# Altium PCB CABLE_JIG_TEST_PCB.PcbDoc (part 4 of 4)
Units mm, origin at the board's own origin, x right, y up, seen from the top; angles counter-clockwise.
Board outline 142.11 x 114.81 mm, 4 copper layers (Top Layer 1, Top Layer, Bottom Layer, Bottom Layer 1), stack 0.602 mm thick; 381 components, 359 nets, 1475 pads, 589 vias.
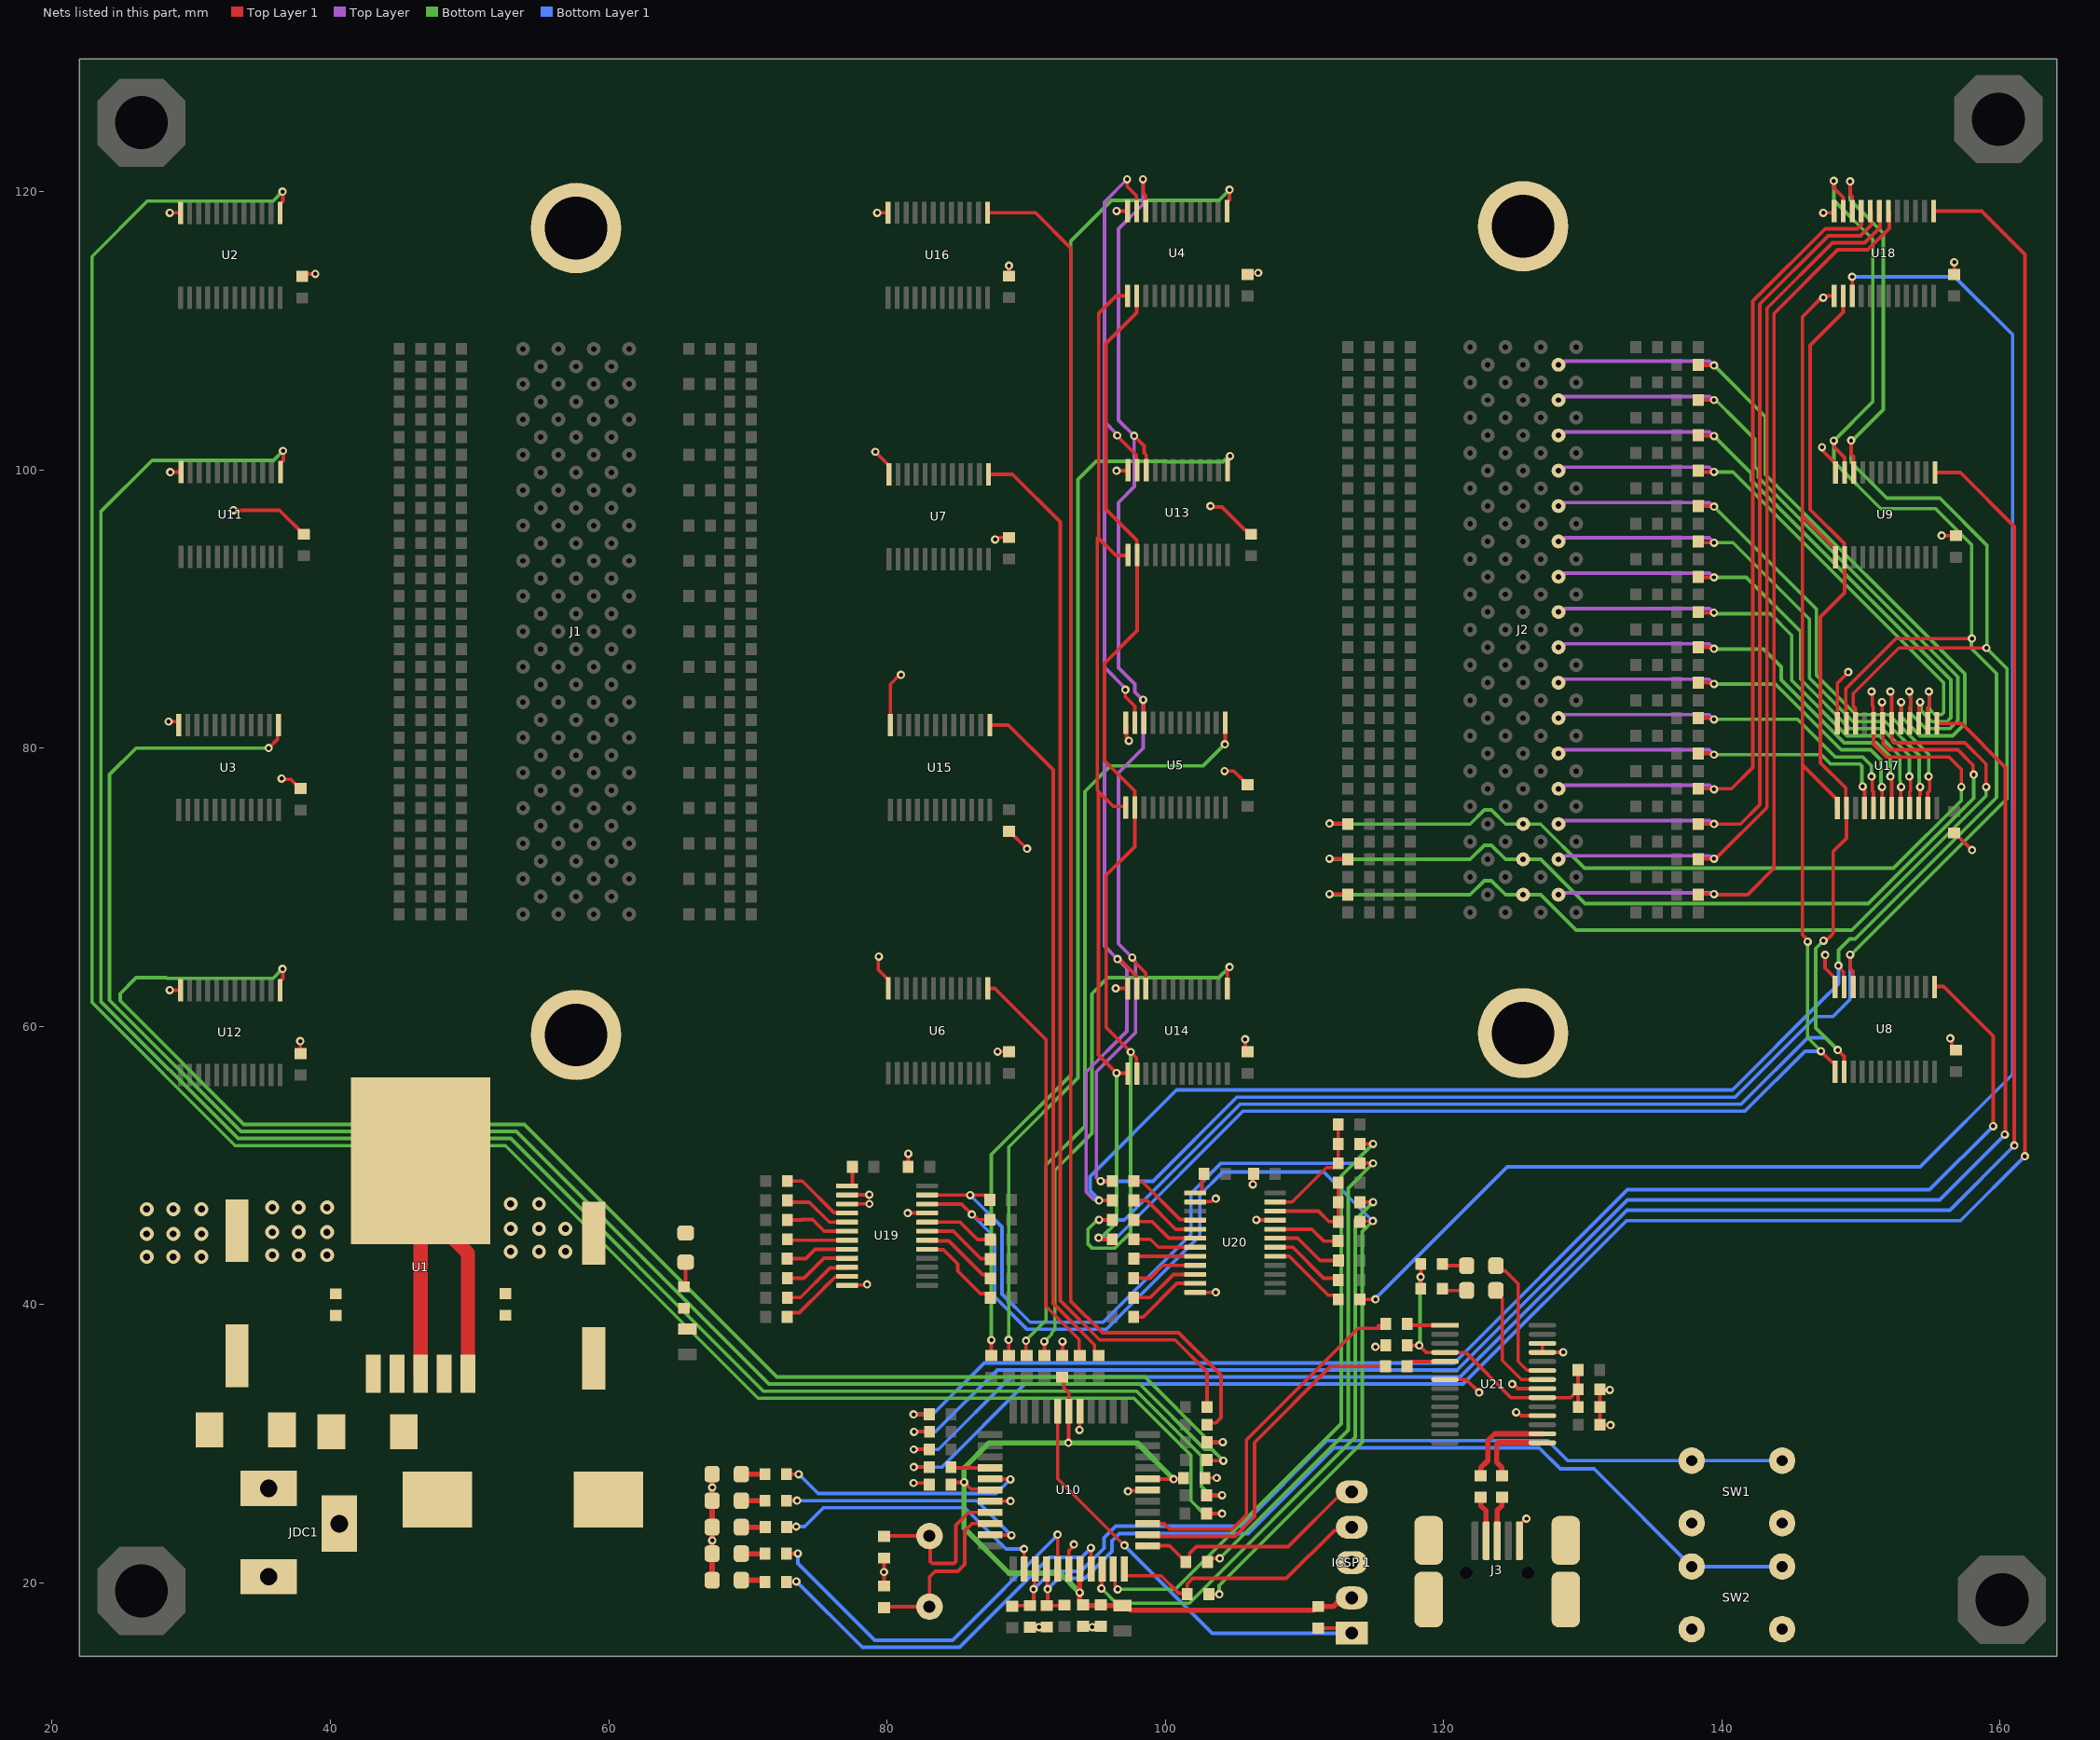
[diagram p6: the nets of this part, all layers, seen from the top]

## Via types
v1: diameter 0.6, hole 0.3, Top Layer 1 to Bottom Layer 1, 556 vias
v2: diameter 1, hole 0.5, Top Layer 1 to Bottom Layer 1, 33 vias

## Nets (pads, with @x,y where several pads share a name; then routed paths per layer and width w, separated by ;. In a path a pad name is that pad's centre, name@x,y a point inside that pad or via, vN(x,y) a via of type N, cw(c..) or ccw(c..) an arc to the next point about the centre after c; other vN are vias at no path point) (continued)
B7Y1: J2.F14 R234.1 U17.8 | length 64
  Top Layer 1 w0.254: v1(111.806,74.595) 112.971,74.595 R234.1@113.017,74.549 ; v1(150.765,84.076) 150.822,84.019 150.822,83.051 150.901,82.973 150.901,81.794 U17.8@150.904,81.79 ; U17.8@150.917,81.79 150.917,80.298 151.84,79.375 156.337,79.375 157.226,78.486 v1(157.226,77.216)
  Bottom Layer w0.254: v1(111.806,74.595) 111.852,74.549 121.92,74.549 122.936,75.565 123.444,75.565 124.46,74.549 J2.F14@125.73,74.549 126.977,74.549 130.152,71.374 152.36,71.374 157.226,76.24 v1(157.226,77.216)
B7Y2: J2.F15 R211.1 U17.7 | length 65.4
  Top Layer 1 w0.254: v1(111.806,72.055) 112.971,72.055 R211.1@113.017,72.009 ; v1(151.523,83.314) 151.539,83.298 151.539,81.805 U17.7@151.554,81.79 ; U17.7@151.567,81.79 151.593,81.764 151.593,80.341 152.05,79.883 156.972,79.883 158.069,78.786 158.069,78.151 v1(158.115,78.105)
  Bottom Layer w0.254: v1(111.806,72.055) 111.852,72.009 121.92,72.009 122.936,73.025 123.444,73.025 124.46,72.009 J2.F15@125.73,72.009 127,72.009 130.175,68.834 150.539,68.834 158.115,76.41 v1(158.115,78.105)
B7Y3: J2.F16 R235.1 U17.6 | length 67.7
  Top Layer 1 w0.254: v1(111.806,69.515) 112.971,69.515 R235.1@113.017,69.469 ; v1(152.127,84.076) 152.127,83.982 152.217,83.892 U17.6@152.217,81.803 ; U17.6@152.217,81.79 152.239,81.768 152.239,80.54 152.388,80.391 157.48,80.391 159.004,78.867 v1(159.004,77.216)
  Bottom Layer w0.254: v1(111.806,69.515) 111.852,69.469 121.92,69.469 122.936,70.485 123.444,70.485 124.46,69.469 J2.F16@125.73,69.469 127,69.469 129.54,66.929 149.352,66.929 159.004,76.581 v1(159.004,77.216)
B7Y4: J2.G1 R277.1 U17.5 | length 53.9
  Top Layer 1 w0.254: R277.1@138.316,107.569 138.362,107.523 v1(139.446,107.523) ; U17.5@152.854,81.79 152.877,81.813 152.877,83.291 v1(152.9,83.314)
  Top Layer w0.254: J2.G1@128.27,107.569 128.472,107.569 128.726,107.823 139.124,107.823 139.424,107.523 v1(139.446,107.523)
  Bottom Layer w0.254: J2.G1@128.27,107.569 J2.G1@128.293,107.546 ; v1(139.446,107.523) 143.129,103.84 143.129,99.695 157.48,85.344 157.48,81.774 156.605,80.899 154.261,80.899 152.9,82.26 v1(152.9,83.314)
B7Y5: J2.G2 R293.1 U17.4 | length 50.9
  Top Layer 1 w0.254: R293.1@138.316,105.029 v1(139.446,105.029) ; v1(153.489,84.076) 153.489,83.982 153.581,83.89 153.581,83.031 153.504,82.954 U17.4@153.504,81.79
  Top Layer w0.254: J2.G2@128.27,105.029 128.472,105.029 128.726,105.283 139.124,105.283 139.378,105.029 v1(139.446,105.029)
  Bottom Layer w0.254: v1(139.446,105.029) 139.54,105.029 139.704,104.865 139.737,104.865 141.003,103.599 142.367,102.235 142.367,100.24 142.621,99.986 142.621,99.485 156.972,85.134 156.972,81.984 156.395,81.407 154.686,81.407 153.581,82.512 153.581,83.596 153.555,83.621 153.555,84.009 v1(153.489,84.076)
B7Y6: J2.G3 R278.1 U17.3 | length 44.7
  Top Layer 1 w0.254: R278.1@138.316,102.489 138.362,102.443 v1(139.446,102.443) ; U17.3@154.154,81.79 154.204,81.84 154.204,83.256 v1(154.262,83.314)
  Top Layer w0.254: J2.G3@128.27,102.489 128.472,102.489 128.726,102.743 139.124,102.743 139.424,102.443 v1(139.446,102.443)
  Bottom Layer w0.254: J2.G3@128.27,102.489 J2.G3@128.293,102.466 ; v1(139.446,102.443) 142.113,99.776 142.113,99.274 156.464,84.923 156.464,82.195 156.184,81.915 155.111,81.915 154.328,82.697 154.328,83.247 v1(154.262,83.314)
B7Y7: J2.G4 R294.1 U17.2 | length 42.5
  Top Layer 1 w0.254: R294.1@138.316,99.949 138.408,99.857 v1(139.446,99.857) ; U17.2@154.804,81.79 154.804,82.892 154.943,83.031 154.943,84.019 v1(154.886,84.076)
  Top Layer w0.254: J2.G4@128.27,99.949 128.472,99.949 128.726,100.203 139.1,100.203 v1(139.446,99.857)
  Bottom Layer w0.254: J2.G4@128.27,99.949 J2.G4@128.316,99.903 ; v1(139.446,99.857) 140.812,99.857 155.956,84.713 155.956,82.572 155.807,82.423 155.321,82.423 154.943,82.801 154.943,84.019 v1(154.886,84.076)
B7Y8: J2.G5 R279.1 U17.23 | length 42.1
  Top Layer 1 w0.254: R279.1@138.316,97.409 138.836,97.409 139.4,97.409 v1(139.446,97.363) ; U17.23@154.804,75.69 154.804,76.793 154.943,76.932 154.943,77.912 v1(154.88,77.976)
  Top Layer w0.254: J2.G5@128.27,97.409 128.472,97.409 128.726,97.663 139.124,97.663 139.424,97.363 v1(139.446,97.363)
  Bottom Layer w0.254: J2.G5@128.27,97.409 J2.G5@128.293,97.386 ; v1(139.446,97.363) 146.812,89.997 146.812,85.253 149.642,82.423 152.019,82.423 154.886,79.556 154.886,77.982 v1(154.88,77.976)
B7Y9: J2.G6 R295.1 U17.22 | length 40.1
  Top Layer 1 w0.254: R295.1@138.316,94.869 138.408,94.777 v1(139.446,94.777) ; U17.22@154.167,75.69 154.217,75.74 154.217,76.609 154.262,76.653 v1(154.262,77.214)
  Top Layer w0.254: J2.G6@128.27,94.869 128.472,94.869 128.726,95.123 139.1,95.123 v1(139.446,94.777)
  Bottom Layer w0.254: J2.G6@128.27,94.869 J2.G6@128.362,94.777 ; v1(139.446,94.777) 140.808,94.777 146.304,89.281 146.304,85.043 149.432,81.915 151.765,81.915 154.199,79.481 154.199,77.277 v1@154.205,77.271
B7Y10: J2.G7 R280.1 U17.21 | length 37.8
  Top Layer 1 w0.254: R280.1@138.316,92.329 138.362,92.283 v1(139.446,92.283) ; v1(153.489,77.976) 153.489,77.882 153.581,77.79 153.581,76.932 153.504,76.855 U17.21@153.504,75.69
  Top Layer w0.254: J2.G7@128.27,92.329 128.472,92.329 128.726,92.583 139.124,92.583 139.424,92.283 v1(139.446,92.283)
  Bottom Layer w0.254: J2.G7@128.27,92.329 J2.G7@128.293,92.306 ; v1@139.423,92.306 v1(139.446,92.283) 141.778,92.283 145.669,88.392 145.669,84.959 149.221,81.407 151.555,81.407 153.489,79.473 v1(153.489,77.976)
B7Y11: J2.G8 R296.1 U17.20 | length 35.9
  Top Layer 1 w0.254: R296.1@138.316,89.789 138.362,89.743 v1(139.439,89.743) ; U17.20@152.854,75.69 152.877,75.713 152.877,77.191 v1(152.9,77.214)
  Top Layer w0.254: J2.G8@128.27,89.789 128.472,89.789 128.726,90.043 139.118,90.043 139.418,89.743 v1(139.439,89.743)
  Bottom Layer w0.254: J2.G8@128.27,89.789 J2.G8@128.286,89.773 ; v1@139.41,89.773 139.506,89.677 139.746,89.677 139.761,89.662 143.488,89.662 145.034,88.116 145.034,84.876 149.011,80.899 151.344,80.899 152.808,79.435 152.808,77.694 152.834,77.668 152.834,77.28 v1(152.9,77.214)
B7Y12: J2.G9 R281.1 U17.19 | length 32.8
  Top Layer 1 w0.254: R281.1@138.316,87.249 138.836,87.249 139.09,87.249 139.116,87.223 139.38,87.223 v1(139.446,87.157) ; v1(152.127,77.976) 152.127,77.882 152.217,77.792 152.217,75.703 U17.19@152.212,75.697
  Top Layer w0.254: J2.G9@128.27,87.249 128.472,87.249 128.726,87.503 139.1,87.503 v1(139.446,87.157)
  Bottom Layer w0.254: J2.G9@128.27,87.249 J2.G9@128.316,87.203 ; v1@139.481,87.122 143.002,87.122 144.272,85.852 144.272,84.919 148.8,80.391 151.134,80.391 152.127,79.398 v1(152.127,77.976)
B7Y13: J2.G10 R297.1 U17.18 | length 30.5
  Top Layer 1 w0.254: R297.1@138.316,84.709 138.836,84.709 139.09,84.709 139.116,84.683 139.38,84.683 v1(139.446,84.617) ; v1(151.523,77.214) 151.539,77.198 151.539,75.705 U17.18@151.554,75.69
  Top Layer w0.254: J2.G10@128.27,84.709 128.472,84.709 128.726,84.963 139.1,84.963 v1(139.446,84.617)
  Bottom Layer w0.254: J2.G10@128.27,84.709 J2.G10@128.362,84.617 ; v1(139.446,84.617) 143.856,84.617 148.59,79.883 150.707,79.883 151.446,79.144 151.446,77.694 151.457,77.683 151.457,77.28 v1(151.523,77.214)
B7Y14: J2.G11 R282.1 U17.17 | length 28.5
  Top Layer 1 w0.254: R282.1@138.316,82.169 138.836,82.169 139.09,82.169 139.116,82.143 139.38,82.143 v1(139.446,82.077) ; v1(150.765,77.976) 150.822,77.919 150.822,76.952 150.904,76.87 U17.17@150.904,75.69
  Top Layer w0.254: J2.G11@128.27,82.169 128.472,82.169 128.726,82.423 139.1,82.423 v1(139.446,82.077)
  Bottom Layer w0.254: J2.G11@128.27,82.169 J2.G11@128.316,82.123 ; v1@139.4,82.123 v1(139.446,82.077) 145.463,82.077 148.165,79.375 150.146,79.375 150.765,78.756 v1(150.765,77.976)
B7Y15: J2.G12 R298.1 U17.16 | length 26.8
  Top Layer 1 w0.254: R298.1@138.316,79.629 138.836,79.629 139.09,79.629 139.116,79.603 139.38,79.603 v1(139.446,79.537) ; v1(150.141,77.245) 150.141,77.151 150.267,77.026 U17.16@150.267,75.703
  Top Layer w0.254: J2.G12@128.27,79.629 128.472,79.629 128.726,79.883 139.1,79.883 v1(139.446,79.537)
  Bottom Layer w0.254: J2.G12@128.27,79.629 J2.G12@128.362,79.537 ; v1(139.446,79.537) 147.158,79.537 147.828,78.867 149.935,78.867 150.084,78.718 150.084,77.302 v1(150.141,77.245)
B8_ENABLE: R249.2 U18.15 | length 121.5
  Top Layer 1 w0.254: R249.2@113.991,40.38 v1(115.108,40.38) ; v1@149.352,113.919 v1(149.382,113.889) U18.15@149.382,112.522
  Bottom Layer 1 w0.254: v1(115.108,40.38) 115.108,40.432 124.587,49.911 154.261,49.911 160.909,56.559 160.909,109.728 156.748,113.889 v1(149.382,113.889)
B8_Z_MCU: R162.1 U10.26 | length 2.8
  Top Layer 1 w0.254: R162.1@84.595,28.321 84.647,28.269 U10.26@87.404,28.269
B8Y0: J2.G13 R283.1 U18.9 | length 60.7
  Top Layer 1 w0.254: R283.1@138.316,77.089 138.836,77.089 139.4,77.089 v1(139.446,77.043) ; v1@139.446,77.089 140.716,77.089 142.24,78.613 142.24,112.141 147.447,117.348 149.76,117.348 150.061,117.649 150.061,118.584 U18.9@150.009,118.636
  Top Layer w0.254: J2.G13@128.27,77.089 128.472,77.089 128.726,77.343 139.124,77.343 139.424,77.043 v1(139.446,77.043)
  Bottom Layer w0.254: J2.G13@128.27,77.089 J2.G13@128.293,77.066 ; v1@139.423,77.066 v1(139.446,77.043)
B8Y1: J2.G14 R299.1 U18.8 | length 64.2
  Top Layer 1 w0.254: R299.1@138.316,74.549 138.836,74.549 v1(139.446,74.549) 141.351,74.549 142.748,75.946 142.748,111.931 147.657,116.84 149.97,116.84 150.745,117.615 U18.8@150.745,118.618 ; U18.8@150.622,119.005 150.632,119.005 150.682,118.954 U18.8@150.682,118.622
  Top Layer w0.254: J2.G14@128.27,74.549 128.472,74.549 128.726,74.803 139.124,74.803 139.378,74.549 v1(139.446,74.549)
B8Y2: J2.G15 R284.1 U18.7 | length 65.5
  Top Layer 1 w0.254: R284.1@138.316,72.009 138.362,72.055 v1(139.446,72.055) ; v1@139.446,72.009 139.529,72.009 143.256,75.736 143.256,111.633 147.955,116.332 150.285,116.332 151.384,117.431 U18.7@151.384,118.621
  Top Layer w0.254: J2.G15@128.27,72.009 128.472,72.009 128.726,72.263 139.144,72.263 139.352,72.055 v1(139.446,72.055)
B8Y3: J2.G16 R300.1 U18.6 | length 69.5
  Top Layer 1 w0.254: R300.1@138.316,69.469 138.362,69.515 v1(139.446,69.515) ; v1@139.446,69.469 141.859,69.469 143.764,71.374 143.764,111.252 148.336,115.824 150.495,115.824 152.049,117.378 U18.6@152.049,118.622
  Top Layer w0.254: J2.G16@128.27,69.469 128.397,69.596 139.225,69.596 139.24,69.581 139.38,69.581 v1(139.446,69.515)
BS0: R237.1 U4.10 U5.10 U8.10 U9.10 U13.10 U14.10 U17.10 U18.10 | length 239.1
  Top Layer 1 w0.254: v1(95.367,48.879) 96.188,48.879 R237.1@96.198,48.889 ; v1(97.633,64.954) 97.699,64.887 97.699,64.744 98.61,63.833 U14.10@98.61,62.72 ; v1(97.769,102.46) 98.495,101.734 98.495,101.223 98.639,101.079 U13.10@98.639,99.981 ; v1(98.403,120.904) 98.444,120.863 98.444,119.876 98.604,119.716 U4.10@98.604,118.618 ; v1(98.421,83.483) 98.473,83.431 U5.10@98.473,81.832 ; v1(149.225,65.151) 149.225,64.182 149.448,63.958 U8.10@149.448,62.853 ; v1(149.228,120.755) 149.228,119.811 149.382,119.657 U18.10@149.382,118.622 ; v1(149.304,102.122) 149.304,101.147 149.49,100.961 U9.10@149.49,99.824 ; U17.10@149.617,81.79 149.617,82.875 149.46,83.031 149.46,83.928 152.739,87.207 v1(159.027,87.207)
  Top Layer w0.254: v1(95.367,48.879) 95.326,48.879 95.06,49.146 95.06,56.749 97.871,59.561 97.871,64.622 97.633,64.86 v1(97.633,64.954) 96.647,65.94 96.647,78.232 98.425,80.01 98.425,83.439 97.818,84.046 97.818,84.61 96.647,85.781 96.647,97.663 97.79,98.806 97.79,100.83 97.769,100.851 v1(97.769,102.46) 96.647,103.582 96.647,117.348 98.403,119.104 v1(98.403,120.904)
  Bottom Layer w0.254: v1@149.222,65.084 160.507,76.369 160.507,85.728 v1(159.027,87.207) 159.064,87.244 159.064,94.594 155.681,97.977 151.871,97.977 149.309,100.539 149.309,102.041 151.617,104.349 151.617,117.027 149.228,119.416 v1(149.228,120.755)
  Bottom Layer 1 w0.254: v1(95.367,48.879) 99.127,48.879 105.17,54.922 140.984,54.922 146.768,60.706 147.992,60.706 149.225,61.939 v1(149.225,65.151)
BS1: R240.1 U4.11 U5.11 U8.11 U9.11 U13.11 U14.11 U17.11 U18.11 | length 245.5
  Top Layer 1 w0.254: v1(95.243,47.492) R240.1@96.198,47.492 R240.1@96.208,47.502 ; v1(96.56,102.484) 96.56,102.44 97.939,101.061 U13.11@97.939,99.949 ; v1(96.566,64.843) 96.632,64.777 96.772,64.777 97.91,63.639 97.91,62.764 U14.11@97.936,62.738 ; v1(97.137,84.201) 97.137,83.693 97.809,83.021 U5.11@97.809,81.915 ; v1(97.264,120.904) 97.264,120.396 97.936,119.724 U4.11@97.936,118.618 ; v1(148.056,102.106) 148.122,102.04 148.122,101.61 148.84,100.893 U9.11@148.84,99.824 ; v1(148.064,120.777) 148.064,120.269 148.736,119.597 U18.11@148.736,118.491 ; v1(148.397,64.367) 148.397,64.274 148.748,63.923 148.748,62.903 U8.11@148.798,62.853 ; U17.11@148.917,81.84 148.917,84.274 152.527,87.884 157.984,87.884 v1(157.988,87.888)
  Top Layer w0.254: v1(95.243,47.492) 95.176,47.558 94.858,47.558 94.32,48.096 94.32,56.728 97.248,59.656 97.248,64.161 v1(96.566,64.843) 95.631,65.778 95.631,85.816 ; v1(96.56,102.484) 96.56,102.542 95.631,103.47 ; v1@97.119,84.328 95.631,85.816 ; v1(97.264,120.904) 95.631,119.271 95.631,103.47 ; 95.631,85.816 95.631,103.47
  Bottom Layer w0.254: v1(148.064,120.777) 148.064,119.38 150.858,116.586 150.858,104.902 148.064,102.108 148.064,100.584 151.429,97.218 155.366,97.218 157.97,94.615 157.97,87.907 v1(157.988,87.888) ; v1@148.395,64.38 148.395,65.482 149.207,66.294 149.588,66.294 159.748,76.454 159.748,85.362 157.941,87.169 v1@157.941,87.888
  Bottom Layer 1 w0.254: v1(95.243,47.492) 95.243,47.566 94.6,48.208 94.6,49.209 100.82,55.43 140.774,55.43 147.101,61.757 148.397,63.053 v1(148.397,64.367)
BS2: R242.1 U4.14 U5.14 U8.14 U9.14 U13.14 U14.14 U17.14 U18.14 | length 200.9
  Top Layer 1 w0.254: v1(95.243,46.095) R242.1@96.198,46.095 R242.1@96.208,46.105 ; U5.14@97.809,75.815 97.809,76.925 95.631,79.103 95.631,86.106 97.989,88.464 97.989,93.859 97.975,93.873 97.975,94.938 95.74,97.173 95.74,109.093 97.954,111.307 U4.14@97.954,112.518 ; U5.14@97.823,75.732 97.823,72.931 95.763,70.871 95.763,59.921 v1(97.518,58.166) 97.936,57.748 U14.14@97.936,56.638 ; v1@147.386,66.153 147.48,66.153 147.822,66.495 147.835,66.495 148.015,66.675 148.015,72.577 148.967,73.529 U17.14@148.967,75.69 148.917,75.74 148.917,77.143 147.099,78.961 147.099,89.441 148.799,91.141 148.799,91.162 ; v1(148.34,58.311) 148.798,57.853 U8.14@148.798,56.753 ; U18.14@148.732,112.395 148.732,111.334 146.364,108.966 146.364,97.155 148.799,94.72 U9.14@148.799,93.724 ; 148.84,91.162 U9.14@148.84,93.724
  Bottom Layer w0.254: v1(95.243,46.095) 95.149,46.095 94.982,45.928 94.955,45.928 94.458,45.431 94.458,44.353 94.742,44.069 96.393,44.069 97.518,45.194 v1(97.518,58.166) ; v1(147.32,66.167) 146.75,65.597 146.75,59.901 148.227,58.424 148.227,58.215 v1@148.223,58.211
  Bottom Layer 1 w0.254: v1(95.243,46.095) 97.062,46.095 105.381,54.414 141.409,54.414 146.181,59.186 147.465,59.186 v1(148.34,58.311)
BS3: R244.1 U4.13 U5.13 U8.13 U9.13 U13.13 U14.13 U17.13 U18.13 | length 201
  Top Layer 1 w0.254: 95.176,95.141 96.464,93.853 97.289,93.853 U13.13@97.289,93.849 ; v1(95.218,44.804) 95.311,44.804 95.438,44.678 96.165,44.678 R244.1@96.175,44.688 ; 95.228,76.857 95.123,76.962 95.123,95.089 95.228,95.194 95.228,111.27 96.48,112.522 97.282,112.522 U4.13@97.286,112.518 ; v1(96.502,56.642) 97.282,56.642 U14.13@97.286,56.638 ; v1@96.502,56.646 95.206,57.942 95.206,76.879 96.266,75.819 97.122,75.819 97.173,75.769 U5.13@97.173,75.732 ; v1(146.188,66.102) 146.188,66.196 145.81,66.574 145.81,78.786 ; v1(147.129,58.222) 147.924,57.428 148.098,57.428 148.148,57.377 U8.13@148.148,56.753 ; U18.13@148.082,112.522 147.302,112.522 145.81,111.03 145.81,96.69 ; U9.13@148.149,93.726 148.149,94.351 145.81,96.69 ; U17.13@148.267,75.69 148.267,76.365 148.231,76.365 145.81,78.786 ; 145.81,78.786 145.81,96.69
  Bottom Layer w0.254: v1(95.218,44.804) 95.311,44.804 95.449,44.942 95.535,44.942 96.502,45.909 v1(96.502,56.642) ; v1(146.188,66.102) 146.177,66.091 146.177,59.202 v1@147.145,58.234
  Bottom Layer 1 w0.254: v1(95.218,44.804) 96.493,44.804 105.595,53.906 141.663,53.906 145.979,58.222 v1(147.129,58.222)
  other v1: 147.302,112.395
BUTTON1: C28.1 R158.1 SW1.1 SW1.3 U10.36 | length 63.4
  Top Layer 1 w0.254: R158.1@89.005,18.319 89.051,18.366 C28.1@90.293,18.366 90.548,18.621 v1(90.548,19.546) 90.611,19.609 90.611,20.936 U10.36@90.673,20.999
  Bottom Layer 1 w0.254: v1(90.548,19.546) 91.83,20.828 93.942,20.828 95.607,22.493 95.607,23.242 96.453,24.088 105.495,24.088 111.634,30.226 127.508,30.226 128.941,28.793 SW1.1@137.847,28.793 SW1.3@144.347,28.793
BUTTON2: C29.1 R179.1 SW2.1 SW2.3 U10.37 | length 64.9
  Top Layer 1 w0.254: U10.37@91.473,20.999 91.513,20.959 91.513,19.595 v1(91.553,19.556) 91.553,18.44 C29.1@91.488,18.375 92.739,18.375 R179.1@92.753,18.389
  Bottom Layer 1 w0.254: v1(91.553,19.556) 92.318,20.32 94.234,20.32 96.182,22.268 96.182,23.012 96.709,23.539 105.962,23.539 112.141,29.718 126.873,29.718 128.397,28.194 130.826,28.194 SW2.1@137.847,21.173 SW2.3@144.347,21.173
CNN_D_N: J3.2 R301.2 | length 3.3
  Top Layer 1 w0.381: R301.2@122.682,26.149 122.682,25.565 123.066,25.181 J3.2@123.066,23.026
CNN_D_P: J3.3 R302.2 | length 3.3
  Top Layer 1 w0.381: J3.3@123.866,23.026 123.866,25.225 124.206,25.565 R302.2@124.206,26.149
GND: "ICSP 1.3" C1.2 C2.2 C3.2 C4.2 C5.2 C6.2 C7.2 C8.2 C9.2 C10.2 C11.2 C12.2 C13.2 C14.2 C15.2 C16.2 C17.2 C18.2 C19.2 C20.2 C21.2 C22.2 C23.2 C24.2 C25.2 C26.2 C27.2 C28.2 C29.2 C30.2 C31.2 C32.2 C33.2 C34.2 C35.2 D2.A J1.HOLE1 J1.HOLE2 J2.HOLE1 J2.HOLE2 J3.5 J3.6 J3.7 J3.8 J3.9 JDC1.2 JDC1.3 POWER1.1 POWER2.1 POWER3.1 POWER4.1 POWER5.1 POWER6.1 SW1.2 SW1.4 SW2.2 SW2.4 U1.3 U1.5 U2.12 U3.12 U4.12 U5.12 U6.12 U7.12 U8.12 U9.12 U10.6 U10.16 U10.29 U10.39 U11.12 U12.12 U13.12 U14.12 U15.12 U16.12 U17.12 U18.12 U19.2 U19.3 U19.12 U19.21 U20.2 U20.12 U20.21 U21.7 U21.18 U21.21 U21.25 U21.26 | length 130.5
  Top Layer 1 w0.254: v1(28.367,81.915) U3.12@29.087,81.915 ; v1(28.448,118.491) U2.12@29.232,118.491 ; v1(28.452,62.611) U12.12@29.236,62.611 ; v1(28.487,99.85) U11.12@29.271,99.85 ; v1(33.023,97.115) 36.337,97.115 38.062,95.39 C19.2@38.1,95.39 ; v1(36.496,77.826) 36.563,77.76 37.15,77.76 37.808,77.102 C4.2@37.846,77.102 ; C20.2@37.846,58.052 v1@37.846,59.055 ; C3.2@37.973,113.919 38.152,114.098 v1(38.912,114.098) ; U19.12@77.14,41.383 77.175,41.418 78.537,41.418 v1(78.572,41.452) ; U19.3@77.14,47.233 77.146,47.239 78.735,47.239 v1(78.74,47.244) ; U19.2@77.14,47.883 77.151,47.894 78.717,47.894 v1(78.729,47.906) ; v1(79.171,101.312) 79.171,101.296 80.144,100.324 U7.12@80.144,99.699 ; v1(79.297,118.491) U16.12@80.081,118.491 ; v1(79.421,65.024) 79.375,64.978 79.375,64.08 80.092,63.363 U6.12@80.092,62.738 ; C23.2@79.793,19.772 C18.2@79.793,21.791 ; U15.12@80.245,81.663 80.245,84.6 80.923,85.278 v1(81.017,85.278) ; v1(81.5,46.588) 81.502,46.585 82.878,46.585 U19.21@82.88,46.583 ; C30.2@81.521,49.911 81.537,49.927 v1(81.537,50.855) ; v1(81.915,27.178) 82.918,27.178 C15.2@83.045,27.051 ; U10.29@87.404,25.869 87.408,25.873 88.876,25.873 v1(88.88,25.877) ; v1@87.63,94.996 87.782,95.148 C10.2@88.773,95.148 ; v1(87.953,58.194) 88.757,58.194 C9.2@88.773,58.179 ; C24.2@88.773,74.028 88.811,74.028 90.067,72.773 v1(90.074,72.773) ; C25.2@88.773,113.944 v1(88.773,114.681) ; C28.2@90.293,16.816 90.301,16.824 v1(90.919,16.824) ; v1@90.886,16.816 91.479,16.816 C29.2@91.488,16.826 ; C14.2@92.583,36.335 92.621,36.373 v1(92.621,37.349) ; U10.39@93.073,20.999 93.073,22.31 93.441,22.677 v1(93.441,22.771) ; v1(93.836,30.985) 93.855,31.004 93.855,32.32 U10.16@93.873,32.338 ; C17.2@94.107,16.878 94.162,16.824 v1(94.756,16.824) ; v1@94.701,16.826 95.075,16.826 C13.2@95.088,16.839 ; v1(96.444,62.738) U14.12@97.286,62.738 ; v1(96.502,99.949) U13.12@97.286,99.949 ; v1(96.502,118.618) U4.12@97.286,118.618 ; U5.12@97.164,81.91 97.223,81.851 97.223,80.8 97.391,80.631 v1(97.391,80.538) ; v1(97.327,26.587) 97.368,26.628 98.702,26.628 U10.6@98.743,26.669 ; U20.12@102.159,40.875 102.169,40.885 103.623,40.885 v1(103.632,40.894) ; U20.2@102.159,47.375 102.196,47.412 103.325,47.412 103.538,47.625 v1(103.632,47.625) ; C16.2@102.86,27.519 102.888,27.548 v1(103.698,27.548) ; v1(103.251,97.409) 103.317,97.343 104.079,97.343 105.766,95.656 105.905,95.656 C21.2@106.172,95.39 ; v1(104.267,78.359) 104.927,78.359 105.613,77.673 105.613,77.635 105.88,77.368 C6.2@105.918,77.368 ; v1(105.755,59.081) 105.755,58.341 C22.2@105.918,58.179 ; C5.2@105.918,114.059 106.032,114.173 v1(106.68,114.173) ; v1(106.299,48.641) 106.299,49.338 C31.2@106.358,49.397 ; v1(106.553,46.101) 106.566,46.088 107.886,46.088 U20.21@107.899,46.075 ; v1(115.108,36.966) 115.731,36.966 C33.2@115.849,37.084 ; U21.7@120.109,34.615 121.642,34.615 v1(122.563,33.694) ; v1(124.944,34.288) 125.038,34.288 125.361,33.965 U21.21@127.109,33.965 ; v1(125.232,32.259) 125.326,32.259 125.569,32.015 U21.18@127.109,32.015 ; J3.5@125.466,23.026 125.466,24.176 125.907,24.617 v1(125.968,24.617) ; U21.26@127.109,37.215 127.109,36.578 127.115,36.571 128.605,36.571 v1(128.611,36.578) ; v1(131.965,33.866) 131.284,33.866 C34.2@131.242,33.909 C32.2@131.242,32.639 C35.2@131.242,31.369 131.27,31.341 v1(132.016,31.341) ; v1(147.211,101.639) 147.277,101.572 147.277,101.362 148.19,100.449 U9.12@148.19,99.824 ; v1(147.302,118.491) U18.12@148.086,118.491 ; v1(147.431,65.139) 147.431,64.194 148.148,63.477 U8.12@148.148,62.853 ; U17.12@148.317,81.79 148.317,84.69 v1(149.098,85.471) ; v1(155.816,95.287) 156.834,95.287 C12.2@156.845,95.275 ; v1(156.437,59.145) 156.437,59.051 156.54,58.948 156.54,58.572 156.807,58.306 C11.2@156.845,58.306 ; C26.2@156.718,73.901 156.756,73.901 157.98,72.677 v1(157.996,72.677) ; C27.2@156.718,114.059 v1(156.718,114.935)
  Top Layer 1 w0.381: POWER6.1@67.437,20.193 POWER5.1@67.437,22.098 POWER4.1@67.437,24.003 POWER3.1@67.437,25.908 POWER2.1@67.437,27.813
  Top Layer 1 w1.016: U1.3@46.482,35.027 U1.3@46.482,47.117 ; U1.3@46.482,50.341 U1.3@46.482,47.117 ; U1.5@49.882,35.027 49.882,43.717 U1.3@46.482,47.117
  other v1: 79.793,20.782 67.437,23.05 67.437,26.86 37.834,58.94 87.777,95.009
  other v2: 26.797,43.434 28.702,43.434 30.734,43.434 35.814,43.561 37.719,43.561 39.751,43.561 52.959,43.815 54.991,43.815 56.896,43.815 26.797,45.085 28.702,45.085 30.734,45.085 35.814,45.212 37.719,45.212 39.751,45.212 52.959,45.466 54.991,45.466 56.896,45.466 26.797,46.863 28.702,46.863 30.734,46.863 35.814,46.99 37.719,46.99 39.751,46.99 52.959,47.244 54.991,47.244
LED1: R76.2 U10.27 | length 18.6
  Top Layer 1 w0.254: R76.2@72.784,27.813 v1(73.66,27.813) ; U10.27@87.404,27.469 87.416,27.457 88.862,27.457 v1(88.874,27.445)
  Bottom Layer 1 w0.254: v1(73.66,27.813) 75.057,26.416 87.845,26.416 v1(88.874,27.445)
LED2: R77.2 U10.32 | length 18.8
  Top Layer 1 w0.254: R77.2@72.784,25.908 v1(73.533,25.908) ; U10.32@87.404,23.469 87.429,23.443 88.917,23.443 v1(88.943,23.417)
  Bottom Layer 1 w0.254: v1(73.533,25.908) 86.452,25.908 v1(88.943,23.417)
LED3: R78.2 U10.35 | length 20.3
  Top Layer 1 w0.254: R78.2@72.796,24.003 v1@73.533,24.003 ; v1(89.854,22.439) 89.863,22.429 89.863,21.009 U10.35@89.873,20.999
  Bottom Layer 1 w0.254: v1(73.482,24.048) 74.086,24.048 75.438,25.4 85.598,25.4 88.559,22.439 v1(89.854,22.439)
LED4: R79.2 U10.38 | length 28.2
  Top Layer 1 w0.254: R79.2@72.784,22.098 v1@73.66,22.098 ; v1@92.202,23.495 92.273,23.424 U10.38@92.273,20.999
  Bottom Layer 1 w0.254: v1(73.599,22.112) 73.599,21.397 79.121,15.875 84.709,15.875 92.261,23.427 v1(92.261,23.473)
LED5: R80.2 U10.41 | length 28.3
  Top Layer 1 w0.254: R80.2@72.784,20.066 v1@73.533,20.066 ; v1@94.615,22.479 94.673,22.421 U10.41@94.673,20.999
  Bottom Layer 1 w0.254: v1(73.497,20.104) 78.233,15.367 85.217,15.367 91.694,21.844 93.995,21.844 v1(94.667,22.516)
MCLR: "ICSP 1.1" R157.2 U10.18 | length 33.2
  Top Layer 1 w0.254: U10.18@92.273,32.338 92.277,32.335 92.277,27.484 97.069,22.692 v1(97.077,22.692) ; R157.2@110.998,16.751 113.043,16.751 113.411,16.383
  Bottom Layer 1 w0.254: v1(97.077,22.692) 97.077,22.684 103.378,16.383 113.411,16.383
NetC1_1: C1.1 C2.1 D1.K U1.1
NetC7_1: C7.1 C8.1 L1.2 R35.2 R36.2 U1.4
NetD1_A: D1.A JDC1.1
NetD2_K: D2.K L1.1 U1.2
NetPOWER1_2: POWER1.2 R36.1 | length 1.8
  Top Layer 1 w0.254: R36.1@65.405,41.288 65.532,41.415 POWER1.2@65.532,43.053
NetPOWER2_2: POWER2.2 R76.1 | length 1.7
  Top Layer 1 w0.381: POWER2.2@69.537,27.813 R76.1@71.234,27.813
NetPOWER3_2: POWER3.2 R77.1 | length 1.7
  Top Layer 1 w0.381: POWER3.2@69.537,25.908 R77.1@71.234,25.908
NetPOWER4_2: POWER4.2 R78.1 | length 1.7
  Top Layer 1 w0.381: POWER4.2@69.537,24.003 R78.1@71.247,24.003
NetPOWER5_2: POWER5.2 R79.1 | length 1.7
  Top Layer 1 w0.381: POWER5.2@69.537,22.098 R79.1@71.234,22.098
NetPOWER6_2: POWER6.2 R80.1 | length 1.7
  Top Layer 1 w0.381: POWER6.2@69.537,20.193 71.107,20.193 R80.1@71.234,20.066
NetPOWER7_1: POWER7.1 U21.23 | length 9.7
  Top Layer 1 w0.254: POWER7.1@123.77,42.799 124.131,42.438 124.428,42.438 125.364,41.502 125.364,35.926 126.007,35.283 127.091,35.283 U21.23@127.109,35.265
NetPOWER7_2: POWER7.2 R267.1 | length 1.8
  Top Layer 1 w0.254: R267.1@119.926,42.926 120.053,42.799 POWER7.2@121.67,42.799
NetPOWER8_1: POWER8.1 U21.22 | length 8.7
  Top Layer 1 w0.254: POWER8.1@123.77,41.021 123.77,40.891 124.235,40.426 124.235,35.984 125.604,34.615 U21.22@127.109,34.615
NetPOWER8_2: POWER8.2 R268.1 | length 1.8
  Top Layer 1 w0.254: R268.1@119.926,41.148 120.053,41.021 POWER8.2@121.67,41.021
NetR37_2: R37.2 U2.1 | length 170.4
  Top Layer 1 w0.254: U2.1@36.382,118.491 36.382,119.116 36.576,119.31 36.576,119.991 v1(36.552,120.015) ; R37.2@102.955,24.96 R37.2@102.975,24.979 v1(104.088,24.979)
  Bottom Layer w0.254: v1(36.552,120.015) 35.871,119.334 26.843,119.334 22.86,115.351 22.86,61.722 33.147,51.435 52.578,51.435 70.739,33.274 97.75,33.274 101.854,29.17 101.854,25.908 102.783,24.979 v1(104.088,24.979)
NetR38_2: R38.2 U3.1 | length 125.3
  Top Layer 1 w0.254: v1(35.56,80.01) 36.205,80.655 36.205,81.611 U3.1@36.255,81.661 ; R38.2@103.01,28.829 103.055,28.784 v1(104.182,28.784)
  Bottom Layer w0.254: v1(35.56,80.01) 26.035,80.01 24.13,78.105 24.13,61.889 33.568,52.451 53.358,52.451 71.519,34.29 98.171,34.29 102.85,29.611 103.355,29.611 v1(104.182,28.784)
NetR39_2: R39.2 U4.1 | length 97
  Top Layer 1 w0.254: R39.2@87.503,36.335 v1(87.503,37.448) ; U4.1@104.454,118.618 104.454,119.243 104.624,119.413 v1(104.624,120.142)
  Bottom Layer w0.254: v1(87.503,37.448) 87.503,50.8 93.218,56.515 93.218,116.459 96.139,119.38 103.862,119.38 v1(104.624,120.142)
NetR40_2: R40.2 U5.1 | length 55.4
  Top Layer 1 w0.254: v1(89.997,37.412) 89.997,36.38 R40.2@90.043,36.335 ; v1(104.292,80.286) 104.307,80.302 104.307,81.817 U5.1@104.323,81.832
  Bottom Layer w0.254: v1(89.997,37.412) 89.997,37.442 91.44,38.884 91.44,50.038 94.234,52.832 94.234,76.888 96.086,78.74 102.746,78.74 v1(104.292,80.286)
NetR81_2: R81.2 U6.1 | length 30.1
  Top Layer 1 w0.254: U6.1@87.222,62.738 U6.1@87.222,63.362 ; U6.1@87.242,62.738 87.757,62.738 91.44,59.055 91.44,39.878 93.818,37.5 93.818,36.37 R81.2@93.853,36.335
NetR82_2: R82.2 U7.1 | length 77.8
  Top Layer 1 w0.254: U7.1@87.294,99.699 87.298,99.695 89.027,99.695 92.456,96.266 92.456,40.303 95.294,37.465 100.711,37.465 103.01,35.166 R82.2@103.01,32.639
NetR83_2: R83.2 U8.1 | length 100
  Top Layer 1 w0.254: v1(81.912,32.111) 83.026,32.111 R83.2@83.045,32.131 ; U8.1@155.271,62.865 155.271,62.407 U8.1@155.321,62.357 ; U8.1@155.298,62.853 155.336,62.853 155.349,62.865 155.953,62.865 159.512,59.306 v1(159.512,52.832)
  Bottom Layer 1 w0.254: v1(81.912,32.111) 83.292,32.111 86.995,35.814 120.777,35.814 133.223,48.26 154.94,48.26 v1(159.512,52.832)
NetR84_2: R84.2 U9.1 | length 141.1
  Top Layer 1 w0.254: v1(81.932,29.591) R84.2@83.045,29.591 R84.2@83.065,29.611 ; U9.1@155.375,99.822 157.157,99.822 161.036,95.943 v1(161.036,51.435)
  Bottom Layer 1 w0.254: v1(81.932,29.591) 83.693,29.591 88.9,34.798 121.198,34.798 133.199,46.799 156.4,46.799 v1(161.036,51.435)
NetR119_2: R119.2 U11.1 | length 149.5
  Top Layer 1 w0.254: U11.1@36.417,99.854 36.417,100.479 36.611,100.673 36.611,101.354 v1(36.587,101.378) ; R119.2@102.959,26.273 R119.2@102.979,26.293 v1(104.092,26.293)
  Bottom Layer w0.254: v1(36.587,101.378) 35.906,100.697 27.192,100.697 23.495,97 23.495,61.805 33.357,51.943 52.968,51.943 71.129,33.782 97.961,33.782 102.616,29.127 102.616,26.924 103.247,26.293 v1(104.092,26.293)
NetR120_2: R120.2 U12.1 | length 108.1
  Top Layer 1 w0.254: U12.1@36.382,62.615 36.382,63.24 36.576,63.434 36.576,64.115 v1(36.552,64.139) ; R120.2@103.01,30.099 103.029,30.119 v1(104.143,30.119)
  Bottom Layer w0.254: v1(36.552,64.139) 35.871,63.458 28.236,63.458 28.194,63.5 26.035,63.5 24.892,62.357 24.892,61.845 33.778,52.959 53.928,52.959 72.089,34.798 98.552,34.798 103.231,30.119 v1(104.143,30.119)
NetR121_2: R121.2 U13.1 | length 77.8
  Top Layer 1 w0.254: v1(88.753,37.468) 88.753,36.354 R121.2@88.773,36.335 ; U13.1@104.489,99.981 104.539,100.031 104.539,100.784 104.659,100.903 v1(104.659,100.997)
  Bottom Layer w0.254: v1(88.753,37.468) 88.753,51.332 93.726,56.305 93.726,99.314 95.042,100.63 100.093,100.63 100.139,100.584 104.152,100.584 104.565,100.997 v1(104.659,100.997)
NetR122_2: R122.2 U14.1 | length 39.7
  Top Layer 1 w0.254: R122.2@91.313,36.335 v1(91.313,37.349) ; U14.1@104.46,62.72 104.46,64.009 104.624,64.172 v1(104.624,64.266)
  Bottom Layer w0.254: v1(91.313,37.349) 91.835,37.87 91.835,37.97 92.075,38.21 92.075,49.657 94.742,52.324 94.742,62.357 95.885,63.5 103.858,63.5 v1(104.624,64.266)
NetR159_2: R159.2 U15.1 | length 49.4
  Top Layer 1 w0.254: U15.1@87.395,81.663 88.727,81.663 91.948,78.442 91.948,40.091 94.917,37.122 94.917,36.614 95.184,36.347 R159.2@95.222,36.347
NetR160_2: R160.2 U16.1 | length 100
  Top Layer 1 w0.254: U16.1@87.227,118.495 90.674,118.495 93.206,115.963 93.206,40.271 95.504,37.973 100.965,37.973 104.013,34.925 104.013,31.877 103.636,31.5 103.14,31.5 R160.2@103.01,31.369
NetR161_2: R161.2 U17.1 | length 121.1
  Top Layer 1 w0.254: v1(81.945,30.861) R161.2@83.058,30.861 R161.2@83.078,30.881 ; U17.1@155.467,81.79 155.469,81.788 157.239,81.788 160.401,78.626 160.401,52.276 v1(160.349,52.224)
  Bottom Layer 1 w0.254: v1(81.945,30.861) 83.487,30.861 87.932,35.306 120.987,35.306 133.219,47.537 155.663,47.537 v1(160.349,52.224)
NetR162_2: R162.2 U18.1 | length 163
  Top Layer 1 w0.254: v1(81.932,28.321) R162.2@83.045,28.321 R162.2@83.065,28.341 ; U18.1@155.232,118.622 155.236,118.618 158.683,118.618 161.798,115.503 v1(161.798,50.673)
  Bottom Layer 1 w0.254: v1(81.932,28.321) 83.947,28.321 89.916,34.29 121.408,34.29 133.156,46.038 157.162,46.038 v1(161.798,50.673)
NetR214_2: R214.2 R263.1 R265.1 U20.23 | length 8.5
  Top Layer 1 w0.254: U20.23@107.899,47.375 109.126,47.375 111.605,49.854 112.175,49.854 112.441,50.121 R263.1@112.441,50.159 R265.1@112.441,51.556 R214.2@112.441,52.953
NetR215_2: R215.2 R219.1 R239.1 U20.22 | length 7.6
  Top Layer 1 w0.254: U20.22@107.899,46.725 111.009,46.725 111.766,45.968 R219.1@112.441,45.968 R239.1@112.441,47.365 R215.2@112.441,48.762
NetR216_1: R216.1 U19.1 | length 1.7
  Top Layer 1 w0.254: U19.1@77.14,48.533 77.468,48.533 77.516,48.581 R216.1@77.516,49.905
NetR217_1: R217.1 U20.1 | length 1.9
  Top Layer 1 w0.254: U20.1@102.159,48.025 102.595,48.025 102.643,48.073 102.643,49.251 R217.1@102.789,49.397
NetR236_2: R236.2 U19.4 | length 5.3
  Top Layer 1 w0.254: R236.2@72.843,48.889 73.92,48.889 76.178,46.631 77.092,46.631 U19.4@77.14,46.583
NetR237_2: R237.2 U20.4 | length 5.6
  Top Layer 1 w0.254: R237.2@97.747,48.889 97.817,48.82 98.373,48.82 101.07,46.123 102.111,46.123 U20.4@102.159,46.075
NetR238_2: R238.2 U19.5 | length 4.9
  Top Layer 1 w0.254: R238.2@72.843,47.492 72.964,47.371 74.422,47.371 75.86,45.933 U19.5@77.14,45.933
NetR240_2: R240.2 U20.5 | length 5.3
  Top Layer 1 w0.254: R240.2@97.747,47.492 97.753,47.498 98.679,47.498 100.752,45.425 U20.5@102.159,45.425
NetR241_2: R241.2 U19.6 | length 4.7
  Top Layer 1 w0.254: R241.2@72.843,46.095 73.868,46.095 73.896,46.123 74.654,46.123 75.494,45.283 U19.6@77.14,45.283
NetR242_2: R242.2 U20.6 | length 5
  Top Layer 1 w0.254: R242.2@97.747,46.095 97.868,45.974 99.06,45.974 100.259,44.775 U20.6@102.159,44.775
NetR243_2: R243.2 U19.7 | length 4.3
  Top Layer 1 w0.254: R243.2@72.843,44.698 72.908,44.633 U19.7@77.14,44.633
NetR244_2: R244.2 U20.7 | length 4.6
  Top Layer 1 w0.254: R244.2@97.747,44.698 98.939,44.698 99.512,44.125 U20.7@102.159,44.125
NetR246_2: R246.2 U19.8 | length 4.6
  Top Layer 1 w0.254: R246.2@72.83,43.301 74.162,43.301 74.844,43.983 U19.8@77.14,43.983
NetR247_1: R247.1 U19.17 | length 6.3
  Top Layer 1 w0.254: U19.17@82.88,43.983 82.913,43.95 84.066,43.95 85.09,42.926 85.09,42.418 86.716,40.792 87.16,40.792 87.427,40.525 R247.1@87.427,40.487
NetR248_2: R248.2 U20.8 | length 4.5
  Top Layer 1 w0.254: R248.2@97.747,43.301 97.921,43.475 U20.8@102.159,43.475
NetR249_1: R249.1 U20.17 | length 5.8
  Top Layer 1 w0.254: U20.17@107.899,43.475 108.925,43.475 111.715,40.685 112.175,40.685 112.441,40.418 R249.1@112.441,40.38
NetR250_2: R250.2 U19.9 | length 4.9
  Top Layer 1 w0.254: R250.2@72.843,41.904 74.035,41.904 75.464,43.333 U19.9@77.14,43.333
NetR251_1: R251.1 U19.18 | length 5.7
  Top Layer 1 w0.254: U19.18@82.88,44.633 82.928,44.585 84.447,44.585 86.859,42.173 87.16,42.173 87.427,41.906 R251.1@87.427,41.884
NetR252_2: R252.2 U20.9 | length 4.8
  Top Layer 1 w0.254: R252.2@97.735,41.904 98.927,41.904 99.848,42.825 U20.9@102.159,42.825
NetR253_1: R253.1 U20.18 | length 5.5
  Top Layer 1 w0.254: U20.18@107.899,44.125 109.164,44.125 111.379,41.91 112.308,41.91 R253.1@112.441,41.777
NetR254_2: R254.2 U19.10 | length 5.2
  Top Layer 1 w0.254: R254.2@72.843,40.507 73.781,40.507 75.909,42.635 77.092,42.635 U19.10@77.14,42.683
NetR255_1: R255.1 U19.19 | length 5.4
  Top Layer 1 w0.254: U19.19@82.88,45.283 84.765,45.283 86.741,43.307 87.401,43.307 R255.1@87.427,43.281
NetR256_2: R256.2 U20.10 | length 5.1
  Top Layer 1 w0.254: R256.2@97.735,40.507 98.927,40.507 100.595,42.175 U20.10@102.159,42.175
NetR257_1: R257.1 U20.19 | length 5.2
  Top Layer 1 w0.254: U20.19@107.899,44.775 109.53,44.775 111.131,43.174 R257.1@112.454,43.174
NetR258_2: R258.2 U19.11 | length 5.5
  Top Layer 1 w0.254: R258.2@72.83,39.11 72.83,39.148 73.097,39.415 73.705,39.415 75.438,41.148 75.438,41.154 76.269,41.985 77.092,41.985 U19.11@77.14,42.033
NetR259_1: R259.1 U19.20 | length 5.1
  Top Layer 1 w0.254: U19.20@82.88,45.933 85.258,45.933 86.513,44.678 R259.1@87.427,44.678
NetR260_2: R260.2 U20.11 | length 5.4
  Top Layer 1 w0.254: R260.2@97.735,39.11 98.419,39.11 100.834,41.525 U20.11@102.159,41.525
NetR261_1: R261.1 U20.20 | length 4.9
  Top Layer 1 w0.254: U20.20@107.899,45.425 110.531,45.425 111.385,44.571 R261.1@112.429,44.571
NetR264_1: R264.1 U21.1 | length 2.7
  Top Layer 1 w0.254: R264.1@117.399,38.608 117.492,38.515 U21.1@120.109,38.515
NetR266_1: R266.1 U21.5 | length 2.9
  Top Layer 1 w0.254: R266.1@117.386,35.56 117.386,35.598 117.703,35.915 U21.5@120.109,35.915
OSC1: C18.1 U10.30 X1.2 | length 12.5
  Top Layer 1 w0.254: C18.1@79.793,23.341 79.82,23.368 X1.2@83.058,23.368 83.12,23.306 83.12,21.543 83.269,21.395 84.814,21.395 84.963,21.543 84.963,24.158 85.874,25.069 U10.30@87.404,25.069
OSC2: C23.1 U10.31 X1.1 | length 12.8
  Top Layer 1 w0.254: C23.1@79.793,18.223 79.858,18.288 X1.1@83.058,18.288 83.058,20.427 83.459,20.828 85.09,20.828 85.598,21.336 85.598,23.749 86.118,24.269 U10.31@87.404,24.269
PGC: "ICSP 1.5" R262.1 U10.1 | length 17.5
  Top Layer 1 w0.254: U10.1@98.743,22.669 100.314,22.669 101.188,21.794 101.226,21.794 101.493,21.528 R262.1@101.493,21.49 101.76,21.756 101.76,22.131 102.235,22.606 108.839,22.606 112.776,26.543 113.411,26.543
PGD: "ICSP 1.4" R218.1 U10.44 | length 19.7
  Top Layer 1 w0.254: U10.44@97.073,20.999 97.073,20.64 97.2,20.513 99.706,20.513 100.961,19.258 101.507,19.258 R218.1@101.587,19.177 101.587,19.926 101.981,20.32 108.712,20.32 112.145,23.753 113.161,23.753 113.411,24.003
SCL1_MCU: R213.2 R218.2 R219.2 U19.22 | length 80.8
  Top Layer 1 w0.254: U19.22@82.88,47.233 85.355,47.233 v1(86.106,46.482) 86.2,46.482 86.581,46.101 R213.2@87.427,46.101 ; R218.2@103.123,19.275 103.22,19.177 v1(103.886,19.177) ; R219.2@113.991,45.968 114.033,46.01 v1(114.924,46.01)
  Bottom Layer w0.254: v1(103.886,19.177) 103.886,19.812 114.173,30.099 114.173,45.259 v1(114.924,46.01)
  Bottom Layer 1 w0.254: v1(86.106,46.482) 87.757,44.831 87.757,40.557 90.087,38.227 95.758,38.227 102.489,44.958 102.489,47.879 104.14,49.53 111.404,49.53 v1(114.924,46.01)
SCL2_MCU: R239.2 U10.42 | length 43.4
  Top Layer 1 w0.254: v1(95.421,19.605) 95.447,19.631 95.447,20.973 U10.42@95.473,20.999 ; R239.2@113.981,47.355 R239.2@113.991,47.365 v1(114.946,47.365)
  Bottom Layer w0.254: v1(95.421,19.605) 96.484,18.542 101.727,18.542 113.665,30.48 113.665,46.084 v1(114.946,47.365)
SDA1_MCU: R212.2 R262.2 R263.2 U19.23 | length 82.1
  Top Layer 1 w0.254: U19.23@82.88,47.883 82.884,47.879 v1(85.979,47.879) 86.984,47.879 87.04,47.823 R212.2@87.133,47.823 ; R212.2@87.4,47.518 87.4,47.556 R212.2@87.133,47.823 ; R212.2@87.4,47.883 87.073,47.883 R212.2@87.133,47.823 ; R262.2@103.042,21.49 103.309,21.756 v1(103.918,21.756) ; R263.2@113.981,50.149 R263.2@113.991,50.159 v1(114.946,50.159)
  Bottom Layer w0.254: v1(103.918,21.756) 108.568,26.405 108.574,26.405 113.157,30.988 113.157,48.37 v1(114.946,50.159)
  Bottom Layer 1 w0.254: v1(85.979,47.879) 88.265,45.593 88.265,40.767 90.297,38.735 95.548,38.735 101.854,45.041 101.854,48.006 104.013,50.165 114.94,50.165 v1(114.946,50.159)
SDA2_MCU: R265.2 U10.43 | length 44.6
  Top Layer 1 w0.254: U10.43@96.273,20.999 96.4,20.872 96.4,19.816 96.585,19.631 v1(96.585,19.538) ; R265.2@113.981,51.546 R265.2@113.991,51.556 v1(114.946,51.556)
  Bottom Layer w0.254: v1(96.585,19.538) 100.737,19.538 112.649,31.45 112.649,49.259 v1(114.946,51.556)
U2RX_MCU: R264.2 U10.3 | length 27
  Top Layer 1 w0.254: U10.3@98.743,24.269 99.937,24.269 100.338,23.868 104.812,23.868 105.836,24.892 105.836,30.271 113.868,38.303 115.583,38.303 115.741,38.462 115.849,38.57 R264.2@115.849,38.608 ; 115.316,38.481 R264.2@115.722,38.481
U2TX_MCU: R266.2 U10.2 | length 25.3
  Top Layer 1 w0.254: U10.2@98.743,23.469 98.865,23.347 105.009,23.347 106.426,24.763 106.426,30.099 111.887,35.56 R266.2@115.837,35.56
USBD_N: R301.1 U21.16 | length 6.8
  Top Layer 1 w0.381: R301.1@122.682,27.699 122.682,28.283 123.19,28.791 123.19,30.209 123.689,30.708 125.911,30.708 125.919,30.715 U21.16@127.109,30.715
USBD_P: R302.1 U21.15 | length 5.7
  Top Layer 1 w0.381: R302.1@124.206,27.699 124.206,28.283 123.825,28.664 123.825,29.946 123.952,30.073 125.911,30.073 125.919,30.065 U21.15@127.109,30.065
VCC_USB: C32.1 C33.1 C34.1 R245.1 R267.2 R268.2 U21.4 U21.20 | length 23.5
  Top Layer 1 w0.254: C33.1@117.399,37.084 117.415,37.067 v1(118.259,37.067) 118.259,37.062 118.756,36.565 U21.4@120.109,36.565 121.594,36.565 124.844,33.315 129.136,33.315 C34.1@129.68,33.858 ; R268.2@118.377,41.148 R267.2@118.377,42.926 ; R245.1@129.68,35.306 C34.1@129.68,33.858 ; C32.1@129.692,32.639 129.68,32.652 C34.1@129.68,33.858 ; C34.1@129.692,33.909 129.692,33.871 C34.1@129.68,33.858
  Bottom Layer w0.254: v1(118.259,37.067) 118.311,37.119 118.311,41.942 v1(118.362,41.993)
VDD_MCU: "ICSP 1.2" C13.1 C14.1 C15.1 C16.1 C17.1 R75.1 R157.1 U10.7 U10.17 U10.28 U10.40 | length 64.7
  Top Layer 1 w0.254: C15.1@84.595,27.051 84.775,27.232 v1(85.549,27.232) 86.04,26.741 87.331,26.741 U10.28@87.404,26.669 ; C14.1@92.583,34.785 92.71,34.658 92.71,34.036 93.073,33.673 U10.17@93.073,32.338 93.059,32.324 93.059,30.078 v1(93.045,30.064) ; U10.7@98.743,27.469 98.748,27.464 100.6,27.464 v1(100.605,27.459) 101.25,27.459 C16.1@101.311,27.519
  Top Layer 1 w0.381: v1@93.847,19.254 93.847,20.973 U10.40@93.873,20.999 ; v1(93.853,19.304) 93.853,18.682 C17.1@94.107,18.428 ; C17.1@94.049,18.318 94.107,18.375 94.361,18.375 94.37,18.367 97.188,18.367 97.526,18.028 110.687,18.028 110.96,18.301 112.093,18.301 112.715,18.923 113.411,18.923
  Bottom Layer w0.381: v1(93.853,19.304) 92.456,20.701 88.773,20.701 85.549,23.925 v1(85.549,27.232) 85.549,28.272 87.341,30.064 v1(93.045,30.064) 98,30.064 v1(100.605,27.459)
pads on no net: J3.4 J3.X J3.Y U10.12 U10.13 U10.33 U10.34 U16.2 U16.3 U16.4 U16.5 U16.16 U16.17 U16.18 U16.19 U16.20 U16.21 U16.22 U16.23 U18.2 U18.3 U18.4 U18.5 U18.16 U18.17 U18.18 U18.19 U18.20 U18.21 U18.22 U18.23 U19.13 U19.14 U19.15 U19.16 U20.13 U20.14 U20.15 U20.16 U21.2 U21.3 U21.6 U21.8 U21.9 U21.10 U21.11 U21.12 U21.13 U21.14 U21.19 U21.24 U21.27 U21.28 VIT1.VIT1 VIT2.VIT1 VIT3.VIT1 VIT4.VIT1

## Polygon pours and split planes (outlines as drawn)
GND on Top Layer 1 "GND_L01_P009" (solid, remove dead copper, pour order 9): 21.907,129.413 164.147,129.413 164.147,14.986 163.893,14.732 21.78,14.732 21.653,14.859
GND on Top Layer 1 "GND_L01_P003" (solid, remove dead copper, pour order 3): 43.116,40.386 45.974,37.529 45.974,33.655 46.99,33.655 46.99,37.846 49.276,37.846 49.403,37.719 49.403,33.655 50.419,33.655 50.419,39.751 51.054,40.386 61.595,40.386 62.611,41.402 62.611,42.799 64.516,44.704 66.129,44.704 66.129,45.758 59.563,52.324 25.654,52.324 22.86,49.53 22.86,42.164 24.638,40.386
NetC7_1 on Top Layer 1 "NETC7_1_L01_P005" (solid, remove dead copper, pour order 5): 47.625,36.322 47.625,32.258 52.578,27.305 52.578,23.876 62.23,23.876 62.865,24.511 62.865,37.084 63.627,37.846 66.294,37.846 66.294,40.005 66.04,40.259 62.992,40.259 62.352,39.619 52.07,39.619 52.07,33.655 51.308,32.893 49.276,32.893 48.641,33.528 48.641,36.195 48.768,36.322 48.641,36.449
NetD2_K on Top Layer 1 "NETD2_K_L01_P004" (solid, remove dead copper, pour order 4): 44.196,36.195 44.196,24.765 45.085,23.876 50.165,23.876 50.165,28.194 45.339,33.02 45.339,36.195
GND on Top Layer 1 "GND_L01_P002" (solid, remove dead copper, pour order 2): 31.623,23.114 32.258,23.749 37.719,23.749 38.862,24.892 38.862,32.258 41.656,32.258 42.037,31.877 42.037,16.383 41.275,15.621 31.623,15.621
NetD1_A on Top Layer 1 "NETD1_A_L01_P001" (solid, remove dead copper, pour order 1): 35.306,32.512 35.306,30.734 33.401,28.829 33.401,25.273 33.782,24.892 37.465,24.892 37.846,25.273 37.846,32.512
NetC1_1 on Top Layer 1 "NETC1_1_L01_P000" (solid, remove dead copper, pour order 0): 22.86,39.497 40.894,39.497 43.561,36.83 43.561,33.782 43.434,33.655 33.655,33.655 32.258,32.258 32.258,29.718 31.877,29.337 23.876,29.337 22.86,30.353
GND on Bottom Layer 1 "GND_L04_P008" (solid, remove dead copper, pour order 8): 22.098,129.54 164.084,129.54 164.084,14.732 21.971,14.732 21.844,14.859
GND on Bottom Layer "GND_L03_P010" (solid, remove dead copper, pour order 10): 22.207,129.525 164.32,129.525 164.32,14.844 164.193,14.717 22.08,14.717 21.953,14.844
GND on Top Layer "GND_L02_P011" (solid, remove dead copper, pour order 11): 22.225,129.54 164.338,129.54 164.465,129.413 164.465,14.986 164.211,14.732 22.098,14.732 21.971,14.859

## Keep-outs
Keep-Out Layer:
  the board outline again, w0.127

## Text inside footprints (layer, text, board x,y; h text height)
J1: Top Overlay "D17" at 61.764,65.38 h1 r90; Top Overlay "B17" at 56.684,65.38 h1 r90; Top Overlay "A17" at 54.178,65.397 h1 r90; Top Overlay "C17" at 59.247,65.418 h1 r90; Top Overlay "F16" at 57.967,66.81 h1 r90; Top Overlay "G16" at 60.504,66.745 h1 r90; Top Overlay "E16" at 55.461,66.834 h1 r90; Top Overlay "A1" at 54.147,109.687 h1 r90; Top Overlay "C1" at 59.215,109.709 h1 r90; Top Overlay "B1" at 56.653,109.67 h1 r90; Top Overlay "D1" at 61.733,109.67 h1 r90; Top Overlay "E1" at 55.416,108.36 h1 r90; Top Overlay "G1" at 60.447,108.271 h1 r90; Top Overlay "F1" at 57.922,108.336 h1 r90
J2: Top Overlay "D17" at 129.836,65.507 h1 r90; Top Overlay "B17" at 124.756,65.507 h1 r90; Top Overlay "A17" at 122.25,65.524 h1 r90; Top Overlay "C17" at 127.319,65.545 h1 r90; Top Overlay "F16" at 126.039,66.937 h1 r90; Top Overlay "G16" at 128.576,66.872 h1 r90; Top Overlay "E16" at 123.533,66.961 h1 r90; Top Overlay "A1" at 122.219,109.814 h1 r90; Top Overlay "C1" at 127.287,109.836 h1 r90; Top Overlay "B1" at 124.725,109.797 h1 r90; Top Overlay "D1" at 129.805,109.797 h1 r90; Top Overlay "E1" at 123.488,108.487 h1 r90; Top Overlay "G1" at 128.519,108.398 h1 r90; Top Overlay "F1" at 125.994,108.463 h1 r90
U2: Top Assembly "*" at 35.41,117.625 h1.27 r270
U3: Top Assembly "*" at 35.283,80.795 h1.27 r270
U4: Top Assembly "*" at 103.482,117.752 h1.27 r270
U5: Top Assembly "*" at 103.351,80.967 h1.27 r270
U6: Top Assembly "*" at 86.27,61.872 h1.27 r270
U7: Top Assembly "*" at 86.323,98.833 h1.27 r270
U8: Top Assembly "*" at 154.327,61.987 h1.27 r270
U9: Top Assembly "*" at 154.368,98.958 h1.27 r270
U10: Top Assembly "*" at 98.01,22.904 h1.27 r180
U11: Top Assembly "*" at 35.445,98.988 h1.27 r270
U12: Top Assembly "*" at 35.41,61.749 h1.27 r270
U13: Top Assembly "*" at 103.517,99.115 h1.27 r270
U14: Top Assembly "*" at 103.489,61.855 h1.27 r270
U15: Top Assembly "*" at 86.423,80.797 h1.27 r270
U16: Top Assembly "*" at 86.255,117.629 h1.27 r270
U17: Top Assembly "*" at 154.495,80.924 h1.27 r270
U18: Top Assembly "*" at 154.26,117.756 h1.27 r270